# KiCad board ProtoBarnacle.kicad_pcb (continued)
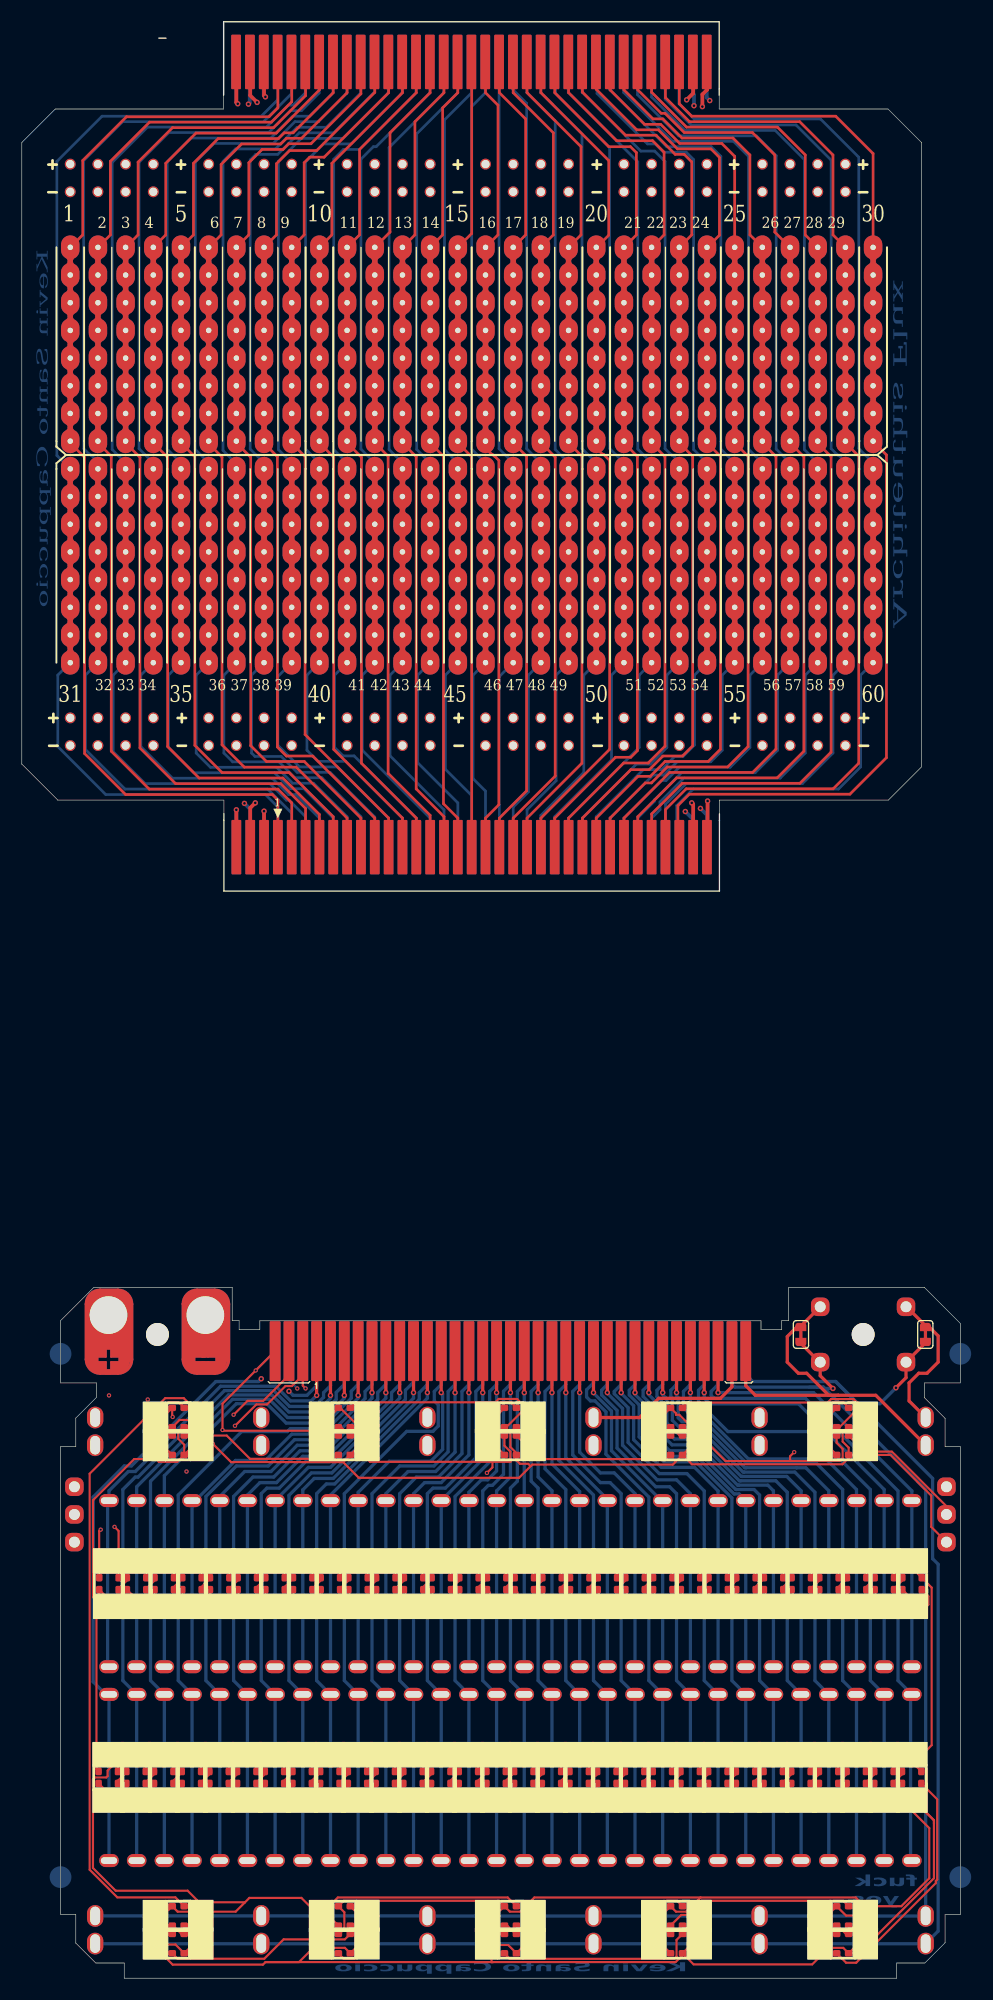
[diagram p0: board, top side]
## Routing (per net, layer and track width the routed paths; a pad name or vN(x,y) marks a point on that pad's centre or on a via; arc(x,y) is an arc through that point) (continued)
Net-(D76-DOUT): length 19.7
  Top w0.2: D76.1 44.58,7.4 29,7.4 28.49,6.9 28.49,5.38 29.04,4.83
Net-(D77-DOUT): length 7
  Top w0.2: D78.3 29.55,1.78 30.48,1.78 30.99,2.29 30.99,5.75 D77.1
Net-(D78-DOUT): length 17.5
  Top w0.2: D79.3 14.3,1.79 22.25,1.79 24.02,3.56 29.64,3.56 D78.1
Net-(D79-DOUT): length 1.4
  Top w0.2: 13.8,4.83 13.88,4.83 14.65,4.06 D79.1
Net-(D80-DOUT): length 62.1
  Top w0.2: D80.1 14.09,7.42 8.76,7.42 6.23,9.95 6.23,46.28 13.16,53.21 14.86,53.21 15.45,52.62 15.45,51.21 14.47,51.21 13.8,50.55
Net-(D81-DOUT): length 7.1
  Top w0.2: D81.1 14.4,52.82 13.45,52.82 12.9,52.27 12.9,48.9 D82.3
Net-(D82-DOUT): length 15.2
  Top w0.2: D83.3 28.68,47.65 20.94,47.65 18.8,49.78 D82.1
Net-(D83-DOUT): length 1.4
  Top w0.2: D83.1 30.06,49.78 29.3,50.55 29.04,50.55
Net-(D84-DOUT): length 19.2
  Top w0.2: D84.1 30.65,52.83 43.43,52.83 43.74,53.14 45.44,53.14 45.93,52.65 45.93,52.03 44.45,50.55 44.28,50.55
Net-(D85-DOUT): length 7.1
  Top w0.2: D85.1 44.88,52.82 43.91,52.82 43.39,52.3 43.39,48.9 D86.3
Net-(D86-DOUT): length 15.2
  Top w0.2: D86.1 47.54,47.62 59.14,47.62 D87.3
Net-(D87-DOUT): length 1.4
  Top w0.2: D87.1 60.37,49.78 59.6,50.55 59.52,50.55
Net-(D88-DOUT): length 19.7
  Top w0.2: 74.76,50.55 75.02,50.55 76.68,52.21 76.68,52.76 76.31,53.12 74.24,53.12 73.92,52.81 61.1,52.81 D88.1
Net-(D89-DOUT): length 7.2
  Top w0.2: 74.76,48.01 73.91,48.86 73.91,52.37 74.36,52.82 75.36,52.82 D89.1 75.69,52.32
Net-(J1-Pin_1): length 129.7
  Top w0.25: 23.57,175.79 23.49,175.72 23.49,171.58 22.69,170.77 9.6,170.77 5.59,166.75 5.59,159.93 J1.1 ; J1.1 4.44,140.83 5.76,139.52 5.76,112.35 9.52,108.59 22.99,108.59 23.49,108.08 J12.31
  Top w0.3: J1#2.1 v1(27.05,53.47)
  Bottom w0.3: v1(27.05,53.47) 26.54,52.96 24.66,52.96 23.31,54.3 18.24,54.3 10.41,46.48 9.77,46.48 8,44.72 J11.1 7.87,43.69 7.87,28.7 J11.1
Net-(J1-Pin_2): length 125.7
  Top w0.25: J1.2 6.98,140.84 8.21,139.62 8.21,112.57 11.69,109.09 23.5,109.09 24.77,107.82 24.77,103.76 ; J1.2 8.13,159.93 8.13,166.68 11.72,170.27 22.89,170.27 24.77,172.14 24.77,175.72 24.84,175.79
  Top w0.3: J1#2.2 v1(28.32,53.47)
  Bottom w0.3: J11.2 J11.2 10.54,45.09 18.96,53.5 22.94,53.5 24.5,51.94 27.05,51.94 28.32,53.21 v1(28.32,53.47)
Net-(J1-Pin_3): length 121.8
  Top w0.25: 26.11,175.79 26.03,175.72 26.03,172.7 23.1,169.77 13.83,169.77 10.67,166.61 10.67,159.93 J1.3 ; J1.3 9.52,140.84 10.84,139.53 10.84,112.86 14.11,109.59 23.77,109.59 26.03,107.32 J12.33
  Top w0.3: 29.59,57.53 v1(29.59,53.47)
  Bottom w0.3: v1(29.59,53.47) 29.59,53.21 27.3,50.93 24.26,50.93 22.48,52.71 19.69,52.71 13.08,46.1 J11.3 J11.3
Net-(J1-Pin_4): length 114.4
  Top w0.25: 12.06,158.79 13.21,159.93 13.21,166.5 15.98,169.27 23.34,169.27 27.3,173.23 27.3,175.72 27.38,175.79 ; 12.06,141.01 12.06,140.84 13.38,139.53 13.38,112.99 16.26,110.1 23.96,110.1 27.3,106.75 J12.34
  Top w0.3: J1#2.4 v1(30.86,53.47)
  Bottom w0.3: v1(30.86,53.47) 30.86,53.21 27.56,49.91 24.77,49.91 22.36,47.5 19.6,47.5 15.92,43.82 J11.4 J11.4
Net-(J1-Pin_5): length 110.8
  Top w0.25: J1.5 15.75,159.93 15.75,166.5 18.02,168.77 23.55,168.77 24.08,169.29 24.89,169.29 28.58,172.97 28.58,175.72 28.65,175.79 ; J12.35 28.58,106.55 24.53,110.6 18.38,110.6 15.88,113.1 15.88,139.58 14.61,140.85 J1.5
  Top w0.3: J1#2.5 v1(32.13,53.72)
  Bottom w0.3: J11.5 J11.5 18.16,44.2 20.45,46.48 22.86,46.48 25.27,48.9 27.81,48.9 32.13,53.21 v1(32.13,53.72)
Net-(J1-Pin_6): length 107
  Top w0.25: J1.6 18.29,159.93 18.29,166.39 20.16,168.27 23.76,168.27 24.28,168.79 25.66,168.79 29.84,172.97 29.84,175.72 29.92,175.79 ; 29.84,103.76 29.84,106.43 25.17,111.1 20.42,111.1 18.37,113.15 18.37,139.55 17.14,140.77 J1.6
  Top w0.3: J1#2.6 v1(33.4,53.72)
  Bottom w0.3: J11.6 J11.6 20.7,44.32 21.84,45.47 23.37,45.47 25.78,47.88 28.07,47.88 33.4,53.21 v1(33.4,53.72)
Net-(J1-Pin_7): length 103
  Top w0.25: 19.69,158.79 20.83,159.93 20.83,166.55 22.05,167.77 23.97,167.77 24.49,168.29 26.53,168.29 31.11,172.87 31.11,175.72 31.19,175.79 ; J12.37 31.11,106.43 25.92,111.62 22.45,111.62 21,113.07 21,139.53 19.69,140.84 19.69,141.01
  Top w0.3: 34.67,57.53 v1(34.67,53.72)
  Bottom w0.3: v1(34.67,53.72) 34.67,53.21 28.32,46.86 26.29,46.86 J11.7 J11.7
Net-(J1-Pin_8): length 99.8
  Top w0.25: 32.46,175.79 32.38,175.72 32.38,173 27.05,167.67 24.57,167.67 23.37,166.46 23.37,159.93 J1.8 ; J12.38 32.38,106.43 26.69,112.12 24.28,112.12 23.45,112.95 23.45,139.59 22.22,140.81 J1.8
  Top w0.3: J1#2.8 v1(35.94,53.72)
  Bottom w0.3: J11.8 J11.8 25.78,44.8 26.83,45.85 28.58,45.85 35.94,53.21 v1(35.94,53.72)
Net-(J1-Pin_9): length 95.1
  Top w0.25: 24.77,141.01 24.77,140.81 25.99,139.59 25.99,114.09 33.66,106.43 J12.39 ; 33.73,175.79 33.66,175.72 33.66,172.97 27.74,167.06 26.42,167.06 25.91,166.55 25.91,159.93 24.77,158.79
  Top w0.3: J1#2.9 v1(37.21,53.72)
  Bottom w0.3: v1(37.21,53.72) 37.21,53.21 28.32,44.32 J11.9 J11.9
Net-(J1-Pin_10): length 95.1
  Top w0.25: J1.10 27.3,140.84 28.62,139.53 28.62,112.73 34.92,106.43 J12.40 ; 35,175.79 34.92,175.72 34.92,172.97 28.45,166.5 28.45,159.93 J1.10
  Top w0.3: J1#2.10 v1(38.48,53.72)
  Bottom w0.3: J11.10 J11.10 30.86,44.58 33.71,47.43 37.52,47.43 38.61,48.52 38.61,53.59 v1(38.48,53.72)
Net-(J1-Pin_11): length 92.6
  Top w0.25: 29.84,141.01 29.84,140.84 31.16,139.53 31.16,111.46 36.19,106.43 J12.41 ; 36.27,175.79 36.19,175.72 36.19,172.97 30.99,167.77 30.99,159.93 29.84,158.79
  Top w0.3: 39.75,57.53 v1(39.75,53.72)
  Bottom w0.3: J11.11 J11.11 33.4,44.45 35.43,46.48 37.97,46.48 39.75,48.26 v1(39.75,53.72)
Net-(J1-Pin_12): length 90.4
  Top w0.25: J1.12 32.38,140.85 33.61,139.63 33.61,110.54 37.47,106.68 37.47,103.76 ; J1.12 33.78,160.18 33.78,169.29 37.47,172.97 37.47,175.72 37.54,175.79
  Top w0.3: J1#2.12 v1(41.02,53.72)
  Bottom w0.3: v1(41.02,53.72) 41.02,48.01 38.48,45.47 36.96,45.47 35.94,44.45 J11.12 J11.12
Net-(J1-Pin_13): length 88
  Top w0.25: 38.81,175.79 38.73,175.72 38.73,172.97 36.07,170.31 36.07,159.93 J1.13 ; J12.43 38.73,106.55 36.19,109.1 36.19,139.58 34.92,140.84 J1.13
  Top w0.3: J1#2.13 v1(42.29,53.72)
  Bottom w0.3: v1(42.29,53.72) 42.29,47.62 J11.13 J11.13
Net-(J1-Pin_14): length 86.7
  Top w0.25: 37.47,141.01 37.47,140.84 38.69,139.62 38.69,107.74 40,106.43 J12.44 ; 40.08,175.79 40,175.72 40,172.97 38.61,171.58 38.61,159.93 37.47,158.79
  Top w0.3: J1#2.14 v1(43.56,53.72)
  Bottom w0.3: J11.14 J11.14 41.02,44.58 42.16,45.72 42.74,45.72 43.56,46.54 v1(43.56,53.72)
Net-(J1-Pin_15): length 84.8
  Top w0.25: J1.15 40,140.84 41.27,139.57 J12.45 ; J1.15 41.27,160.06 41.27,175.72 41.35,175.79
  Top w0.3: J1#2.15 v1(44.83,53.72)
  Bottom w0.3: v1(44.83,53.72) 44.83,45.97 43.56,44.7 J11.15 J11.15
Net-(J1-Pin_16): length 85.2
  Top w0.25: 42.55,158.79 43.69,159.93 43.69,171.83 42.55,172.97 42.55,175.72 42.62,175.79 ; 42.55,141.01 42.55,140.38 43.12,139.8 43.18,139.77 43.39,139.61 43.77,139.24 43.77,107.65 42.55,106.43 42.55,103.76
  Top w0.3: J1#2.16 v1(46.1,53.72)
  Bottom w0.3: v1(46.1,53.72) J11.16 J11.16
Net-(J1-Pin_17): length 86.8
  Top w0.25: J1.17 45.08,140.84 46.31,139.62 46.31,108.92 43.81,106.43 J12.47 ; 43.89,175.79 43.81,175.72 43.81,172.97 46.23,170.56 46.23,159.93 J1.17
  Top w0.3: 47.37,57.53 v1(47.37,53.72)
  Bottom w0.3: J11.17 J11.17 48.64,44.72 47.37,45.99 v1(47.37,53.72)
Net-(J1-Pin_18): length 88.4
  Top w0.25: 47.62,158.79 48.77,159.93 48.77,169.29 45.08,172.97 45.08,175.72 45.16,175.79 ; 47.62,141.01 47.62,140.85 48.94,139.54 48.94,110.28 45.08,106.43 J12.48
  Top w0.3: J1#2.18 v1(48.64,53.72)
  Bottom w0.3: J11.18 J11.18 51.18,44.65 48.64,47.19 v1(48.64,53.72)
Net-(J1-Pin_19): length 89.9
  Top w0.25: J1.19 50.16,140.84 51.39,139.62 51.39,111.46 46.36,106.43 J12.49 ; J1.19 51.31,159.93 51.31,168.02 46.36,172.97 46.36,175.72 46.43,175.79
  Top w0.3: J1#2.19 v1(49.91,53.72)
  Bottom w0.3: J11.19 J11.19 53.72,43.94 49.91,47.75 v1(49.91,53.72)
Net-(J1-Pin_20): length 92.3
  Top w0.25: 47.7,175.79 47.62,175.72 47.62,172.97 53.85,166.75 53.85,159.89 52.74,158.79 J1.20 ; J1.20 52.7,140.38 53.28,139.8 53.36,139.8 53.93,139.24 53.93,112.73 47.62,106.43 47.62,103.76
  Top w0.3: J1#2.20 v1(51.18,53.72)
  Bottom w0.3: J11.20 J11.20 56.26,44.45 54.36,46.36 53.09,46.36 51.18,48.26 v1(51.18,53.72)
Net-(J1-Pin_21): length 95.2
  Top w0.25: J1.21 55.24,140.84 56.48,139.61 56.48,112.61 55.87,112.01 54.47,112.01 48.89,106.43 J12.51 ; 48.97,175.79 48.89,175.72 48.89,172.97 53.85,168.02 55.85,168.02 56.39,167.48 56.39,159.93 J1.21
  Top w0.3: 52.45,57.53 v1(52.45,53.72)
  Bottom w0.3: J11.21 J11.21 58.67,43.82 54.1,48.39 54.1,52.03 52.45,53.68 v1(52.45,53.72)
Net-(J1-Pin_22): length 99
  Top w0.25: 50.24,175.79 50.16,175.72 50.16,172.97 54.57,168.57 57.87,168.57 58.93,167.51 58.93,159.93 J1.22 ; J12.52 50.16,106.43 55.22,111.48 57.47,111.48 59.01,113.02 59.01,139.59 57.78,140.81 J1.22
  Top w0.3: J1#2.22 v1(53.72,53.72)
  Bottom w0.3: v1(53.72,53.72) 53.72,53.66 55.12,52.27 55.12,48.9 58.29,45.72 60.07,45.72 61.34,44.45 J11.22 J11.22
Net-(J1-Pin_23): length 102.2
  Top w0.25: 60.33,158.79 61.47,159.93 61.47,166.63 60.78,167.32 59.95,167.32 58.2,169.07 55.39,169.07 51.44,173.03 51.44,175.72 51.51,175.79 ; 60.33,141.01 60.33,140.84 61.55,139.62 61.55,113.05 60.61,112.12 58.81,112.12 57.57,110.87 55.88,110.87 51.44,106.43 J12.53
  Top w0.3: J1#2.23 v1(54.99,53.72)
  Bottom w0.3: v1(54.99,53.72) 54.99,53.66 56.13,52.52 56.13,49.4 58.67,46.86 61.72,46.86 63.88,44.7 J11.23 J11.23
Net-(J1-Pin_24): length 105.7
  Top w0.25: J1.24 62.9,158.79 64.01,159.89 64.01,167.03 63.23,167.82 60.16,167.82 58.4,169.57 56.42,169.57 52.7,173.28 52.7,175.72 52.78,175.79 ; J1.24 62.86,140.84 64.1,139.61 64.1,112.74 62.98,111.62 59.02,111.62 57.66,110.25 56.53,110.25 52.7,106.43 J12.54
  Top w0.3: J1#2.24 v1(56.26,53.72)
  Bottom w0.3: v1(56.26,53.72) 56.26,53.55 57.15,52.66 57.15,49.91 59.18,47.88 61.9,47.88 65.34,44.43 65.81,44.43 J11.24 J11.24
Net-(J1-Pin_25): length 108.1
  Top w0.25: J12.55 53.97,106.43 57.2,109.65 57.76,109.65 59.23,111.12 64.76,111.12 66.64,112.99 66.64,139.61 65.41,140.84 65.41,141.01 ; 65.41,158.79 65.41,167.13 64.22,168.32 60.37,168.32 58.61,170.07 57.13,170.07 53.97,173.23 53.97,175.72 54.05,175.79
  Top w0.3: 57.53,57.53 v1(57.53,53.72)
  Bottom w0.3: J11.25 J11.25 68.96,44.72 68.45,45.23 65.67,45.23 61.98,48.93 59.66,48.93 58.19,50.4 58.19,52.87 57.53,53.52 v1(57.53,53.72)
Net-(J1-Pin_26): length 111.4
  Top w0.25: J1.26 66.8,159.93 66.8,167.26 65.25,168.82 60.57,168.82 58.82,170.57 57.9,170.57 55.24,173.23 55.24,175.72 55.32,175.79 ; J12.56 55.24,106.43 59.44,110.62 67.06,110.62 69.2,112.76 69.2,139.59 67.95,140.84 J1.26
  Top w0.3: J1#2.26 v1(58.8,53.72)
  Bottom w0.3: v1(58.8,53.72) 58.8,53.52 59.18,53.14 59.18,50.93 60.07,50.04 62,50.04 66.01,46.03 66.12,46.03 70.19,46.03 71.5,44.72 J11.26 J11.26
Net-(J1-Pin_27): length 115.1
  Top w0.25: 56.59,175.79 56.52,175.72 56.52,173.23 58.66,171.09 59.01,171.09 60.78,169.32 67.03,169.32 69.09,167.26 69.09,160.18 J1.27 ; J1.27 70.48,140.84 71.76,139.57 71.76,112.56 69.31,110.12 60.08,110.12 56.52,106.55 J12.57
  Top w0.3: J1#2.27 v1(60.07,53.72)
  Bottom w0.3: v1(60.07,53.72) 60.07,53.4 60.22,53.25 60.22,51.41 60.58,51.05 62.11,51.05 66.34,46.83 66.45,46.83 71.08,46.83 71.09,46.83 71.93,46.83 74.04,44.72 J11.27 J11.27
Net-(J1-Pin_28): length 118.7
  Top w0.25: 57.86,175.79 57.86,173.81 57.78,173.74 57.78,173.02 60.99,169.82 69.33,169.82 71.88,167.26 71.88,159.93 J1.28 ; J1.28 73.02,140.81 74.25,139.59 74.25,112.48 71.39,109.62 60.59,109.62 57.78,106.81 J12.58
  Top w0.3: J1#2.28 v1(61.34,53.72)
  Bottom w0.3: v1(61.34,53.72) 61.34,52.71 61.59,52.45 61.85,52.45 66.67,47.63 73.78,47.63 76.58,44.83 J11.28 J11.28
Net-(J1-Pin_29): length 123.4
  Top w0.25: 59.13,175.79 59.05,175.72 59.05,172.52 61.26,170.32 71.37,170.32 74.42,167.26 74.42,159.93 J1.29 ; J1.29 75.56,140.85 76.79,139.63 76.79,111.46 74.45,109.12 60.96,109.12 59.05,107.21 J12.59
  Top w0.3: J1#2.29 v1(62.61,53.72)
  Bottom w0.3: v1(62.61,53.72) 62.61,53.21 63.14,52.69 71.27,52.69 79.12,44.83 J11.29 J11.29
Net-(J1-Pin_30): length 128
  Top w0.25: 60.33,103.76 60.2,103.89 60.2,107.58 61.24,108.62 75.98,108.62 79.33,111.97 79.33,139.75 78.11,140.97 78.11,141.01 ; 60.4,175.79 60.33,175.72 60.33,171.96 61.47,170.82 74.68,170.82 78.11,167.39 78.11,158.79
  Top w0.3: J1#2.30 v1(63.88,53.72)
  Bottom w0.3: J11.30 J11.30 81.66,44.7 72.64,53.72 v1(63.88,53.72)
Net-(J11-Pin_1): length 89.2
  Bottom w0.25: 23.57,175.79 23.47,175.69 23.47,172.31 21.97,170.82 7.37,170.82 3.22,166.67 3.22,139.69 J2.1 ; J2.1 3.3,119.54 3.3,112.99 7.7,108.59 22.35,108.59 23.49,107.44 J12.1
Net-(J11-Pin_2): length 86.3
  Bottom w0.25: J2.2 6.98,139.09 6.41,139.67 6.35,139.7 6.14,139.86 5.68,140.32 5.68,166.74 9.25,170.32 22.18,170.32 24.74,172.88 24.74,175.69 24.84,175.79 ; J2.2 5.84,119.54 5.84,112.71 9.47,109.09 22.56,109.09 24.77,106.88 24.77,103.76
Net-(J11-Pin_3): length 83.4
  Bottom w0.25: J12.3 26.03,106.55 24.51,108.08 24.27,108.08 22.77,109.59 11.32,109.59 8.38,112.52 8.38,119.54 J2.3 ; J2.3 9.52,139.01 8.29,140.24 8.29,166.58 11.53,169.82 22.44,169.82 24.46,171.83 24.89,171.83 26.01,172.95 26.01,175.69 26.11,175.79
Net-(J11-Pin_4): length 80.6
  Bottom w0.25: 27.38,175.79 27.28,175.69 27.28,172.95 25.65,171.32 24.66,171.32 22.65,169.32 13.49,169.32 10.76,166.59 10.76,140.32 12.06,139.01 12.06,138.47 ; 12.06,120.69 10.92,119.54 10.92,112.99 13.82,110.09 22.97,110.09 24.47,108.59 25.15,108.59 27.3,106.43 J12.4
Net-(J11-Pin_5): length 78.1
  Bottom w0.25: J12.5 28.58,106.43 25.88,109.13 24.64,109.13 23.18,110.59 15.78,110.59 13.46,112.9 13.46,119.54 J2.5 ; 28.65,175.79 28.55,175.69 28.55,172.95 26.42,170.82 24.86,170.82 22.86,168.82 15.53,168.82 13.33,166.62 13.33,140.28 14.61,139.01 J2.5
Net-(J11-Pin_6): length 75.9
  Bottom w0.25: J2.6 16,119.54 16,112.4 17.31,111.09 23.39,111.09 24.85,109.63 26.77,109.63 29.84,106.55 29.84,103.76 ; 29.92,175.79 29.82,175.69 29.82,172.91 27.22,170.32 25.06,170.32 23.06,168.32 17.62,168.32 15.92,166.61 15.92,140.24 17.14,139.02 J2.6
Net-(J11-Pin_7): length 73.4
  Bottom w0.25: 19.69,120.69 18.54,119.54 18.54,112.4 19.35,111.59 23.59,111.59 25.05,110.13 27.54,110.13 31.11,106.55 J12.7 ; 31.19,175.79 31.09,175.69 31.09,172.95 27.94,169.8 25.26,169.8 23.27,167.82 19.61,167.82 18.46,166.67 18.46,140.16 19.69,138.94 19.69,138.47
Net-(J11-Pin_8): length 70.9
  Bottom w0.25: J2.8 21.08,119.54 21.08,112.4 21.39,112.09 23.8,112.09 25.26,110.63 28.28,110.63 32.38,106.52 J12.8 ; 32.46,175.79 32.36,175.69 32.36,173.04 28.61,169.29 25.45,169.29 23.48,167.32 21.46,167.32 20.95,166.81 20.95,140.28 22.22,139.01 J2.8
Net-(J11-Pin_9): length 68
  Bottom w0.25: 24.77,138.47 24.77,139.01 23.54,140.23 23.54,166.67 25.65,168.78 29.46,168.78 33.63,172.95 33.63,175.69 33.73,175.79 ; 24.77,120.69 23.49,119.42 23.49,113.1 25.47,111.13 28.96,111.13 33.66,106.43 J12.9
Net-(J11-Pin_10): length 65.6
  Bottom w0.25: J2.10 26.16,119.54 26.16,112.65 27.18,111.63 29.72,111.63 34.92,106.43 J12.10 ; 35,175.79 34.9,175.69 34.9,172.95 30.23,168.28 27.69,168.28 26.03,166.62 26.03,140.28 27.3,139.01 J2.10
Net-(J11-Pin_11): length 63
  Bottom w0.25: 36.27,175.79 36.17,175.69 36.17,172.95 30.99,167.77 29.51,167.77 28.62,166.87 28.62,140.23 29.84,139.01 29.84,138.47 ; J12.11 36.19,106.43 30.49,112.13 29.47,112.13 28.7,112.9 28.7,119.54 29.84,120.69
Net-(J11-Pin_12): length 60.6
  Bottom w0.25: J2.12 32.38,139.01 31.11,140.28 31.11,166.88 32.26,168.02 32.51,168.02 37.44,172.95 37.44,175.69 37.54,175.79 ; 37.47,103.76 37.47,106.43 31.24,112.65 31.24,119.54 J2.12
Net-(J11-Pin_13): length 59.4
  Bottom w0.25: 38.81,175.79 38.71,175.69 38.71,172.95 33.7,167.94 33.7,140.24 34.92,139.02 J2.13 ; J2.13 33.78,119.54 33.78,112.14 38.73,107.19 J12.13
Net-(J11-Pin_14): length 58.4
  Bottom w0.25: 37.47,138.47 37.47,139.01 36.23,140.24 36.23,169.2 39.98,172.95 39.98,175.69 40.08,175.79 ; J12.14 40,107.82 36.32,111.51 36.32,119.54 37.47,120.69
Net-(J11-Pin_15): length 57.3
  Bottom w0.25: J2.15 38.86,119.54 38.86,110.91 41.27,108.49 J12.15 ; J2.15 40,139.01 38.78,140.23 38.78,170.48 41.25,172.95 41.25,175.69 41.35,175.79
Net-(J11-Pin_16): length 56.3
  Bottom w0.25: 42.55,103.76 42.55,108.9 41.4,110.05 41.4,119.54 42.55,120.69 ; 42.55,138.47 42.55,139.01 41.27,140.28 41.27,171.7 42.52,172.95 42.52,175.69 42.62,175.79
Net-(J11-Pin_17): length 55.4
  Bottom w0.25: J2.17 43.81,119.42 J12.17 ; 43.89,175.79 43.79,175.69 43.79,140.31 45.08,139.01 J2.17
Net-(J11-Pin_18): length 56.4
  Bottom w0.25: J12.18 45.08,107.44 46.48,108.84 46.48,119.54 47.62,120.69 ; 45.16,175.79 45.06,175.69 45.06,173.25 46.32,171.99 46.32,140.32 47.62,139.01 47.62,138.47
Net-(J11-Pin_19): length 57.5
  Bottom w0.25: 46.43,175.79 46.33,175.69 46.33,173 48.94,170.39 48.94,140.25 50.16,139.02 J2.19 ; J12.19 46.36,107.19 49.02,109.86 49.02,119.54 J2.19
Net-(J11-Pin_20): length 58.5
  Bottom w0.25: 47.7,175.79 47.6,175.69 47.6,173 51.4,169.2 51.4,140.32 52.7,139.01 J2.20 ; J2.20 51.56,119.54 51.56,110.62 47.62,106.68 47.62,103.76
Net-(J11-Pin_21): length 59.5
  Bottom w0.25: J2.21 54.1,119.54 54.1,111.76 48.89,106.55 J12.21 ; 48.97,175.79 48.97,172.9 53.93,167.94 53.93,140.33 55.24,139.02 J2.21
Net-(J11-Pin_22): length 60.6
  Bottom w0.25: 50.24,175.79 50.14,175.69 50.14,173 56.52,166.62 56.52,140.28 57.78,139.01 J2.22 ; J12.22 50.16,106.43 56.64,112.9 56.64,119.54 J2.22
Net-(J11-Pin_23): length 63.2
  Bottom w0.25: J12.23 51.44,106.43 56.39,111.38 57.66,111.38 59.18,112.9 59.18,119.54 60.33,120.69 ; 51.51,175.79 51.41,175.69 51.41,173 56.79,167.61 58.06,167.61 59.02,166.66 59.02,140.32 59.48,139.86 59.69,139.7 59.75,139.67 60.33,139.09 60.33,138.47
Net-(J11-Pin_24): length 65.7
  Bottom w0.25: J2.24 61.72,119.54 61.72,113.14 60.68,112.09 59.92,112.09 58.69,110.87 57.02,110.87 52.7,106.55 J12.24 ; 52.78,175.79 52.78,172.9 57.4,168.28 58.11,168.28 58.87,167.51 60.96,167.51 61.64,166.83 61.64,140.23 62.86,139.01 J2.24
Net-(J11-Pin_25): length 68.5
  Bottom w0.25: 65.41,138.47 65.41,139.01 64.13,140.28 64.13,167.13 63.25,168.01 59.18,168.01 53.95,173.25 53.95,175.69 54.05,175.79 ; 65.41,120.69 64.26,119.54 64.26,112.65 63.21,111.59 60.12,111.59 58.9,110.37 57.92,110.37 53.97,106.43 J12.25
Net-(J11-Pin_26): length 71.1
  Bottom w0.25: J12.26 55.24,106.43 58.69,109.87 59.11,109.87 60.33,111.09 64.99,111.09 66.8,112.9 66.8,119.54 J2.26 ; J2.26 67.95,139.01 66.67,140.28 66.67,167.13 65.29,168.51 59.71,168.51 55.22,173 55.22,175.69 55.32,175.79
Net-(J11-Pin_27): length 74
  Bottom w0.25: J2.27 69.34,119.54 69.34,112.65 67.29,110.59 60.54,110.59 58.05,108.11 58.05,107.98 56.52,106.44 J12.27 ; J2.27 70.48,139.01 69.21,140.28 69.21,167.19 67.39,169.01 60.27,169.01 56.49,172.79 56.49,175.69 56.59,175.79
Net-(J11-Pin_28): length 76.9
  Bottom w0.25: J2.28 73.02,139.01 71.8,140.23 71.8,166.83 69.12,169.51 60.85,169.51 57.78,172.58 57.78,175.72 57.86,175.79 ; J12.28 57.78,106.43 58.55,107.2 58.55,107.9 60.74,110.09 69.58,110.09 71.88,112.4 71.88,119.54 J2.28
Net-(J11-Pin_29): length 79.9
  Bottom w0.25: J2.29 75.56,139.09 74.99,139.67 74.93,139.7 74.72,139.86 74.26,140.32 74.26,166.79 71.03,170.01 61.41,170.01 59.03,172.39 59.03,175.69 59.13,175.79 ; J12.29 59.05,107.7 60.95,109.59 71.62,109.59 74.42,112.4 74.42,119.54 J2.29
Net-(J11-Pin_30): length 83.8
  Bottom w0.25: 60.33,103.76 60.08,104 60.08,107.57 61.6,109.09 74.93,109.09 76.96,111.13 76.96,119.54 78.11,120.69 ; 60.4,175.79 60.3,175.69 60.3,171.95 61.69,170.56 73.28,170.56 76.79,167.05 76.79,140.33 78.11,139.02 78.11,138.47

## Text on the board
Bottom: Kevin Santo Cappuccio | Architeuthis Flux | fuck / yes
B.Fab: J1
B.Silkscreen: + | - | 60 | 46 | 31 | 5V | GND | Data IN | WS2812C | Data OUT | Stay The Hell Out Of My Circuit | 59 59 57 56 | 19  18  17  16 | 34 33 33 | 39 38 37 36 | 44 43 42 41 | 49 48 47 46 | 54 53 52 51 | 29 28 27 26 | 24 23 22 21 | 14  13  12  11 | 4   3   2 | 9   8   7   6 | 35 | 40 | 45 | 20 | 50 | 25 | 55 | 30 | 1 | 5 | 10 | 15
F.Silkscreen: + | - | 1 | 56 57 58 59 | 16  17  18  19 | 32 33 34 | 36 37 38 39 | 41 42 43 44 | 46 47 48 49 | 51 52 53 54 | 26 27 28 29 | 21 22 23 24 | 11  12  13  14 | 2   3   4 | 6   7   8   9 | 35 | 40 | 45 | 20 | 50 | 25 | 55 | 30 | 60 | 31 | 5 | 10 | 15
